# Altium PCB PC104-M7_6L.PcbDoc (part 2 of 3)
Units mm, origin at the board's own origin, x right, y up, seen from the top; angles counter-clockwise.
Board outline 90.17 x 95.89 mm, 6 copper layers (Top Layer, Layer 2 (GND), Layer 3 (PWR), Layer 4 (SIG), Layer 5 (GND), Bottom Layer), stack 1.538 mm thick; 122 components, 127 nets, 614 pads, 384 vias.
Unrouted connection lines stored in the file: 7.
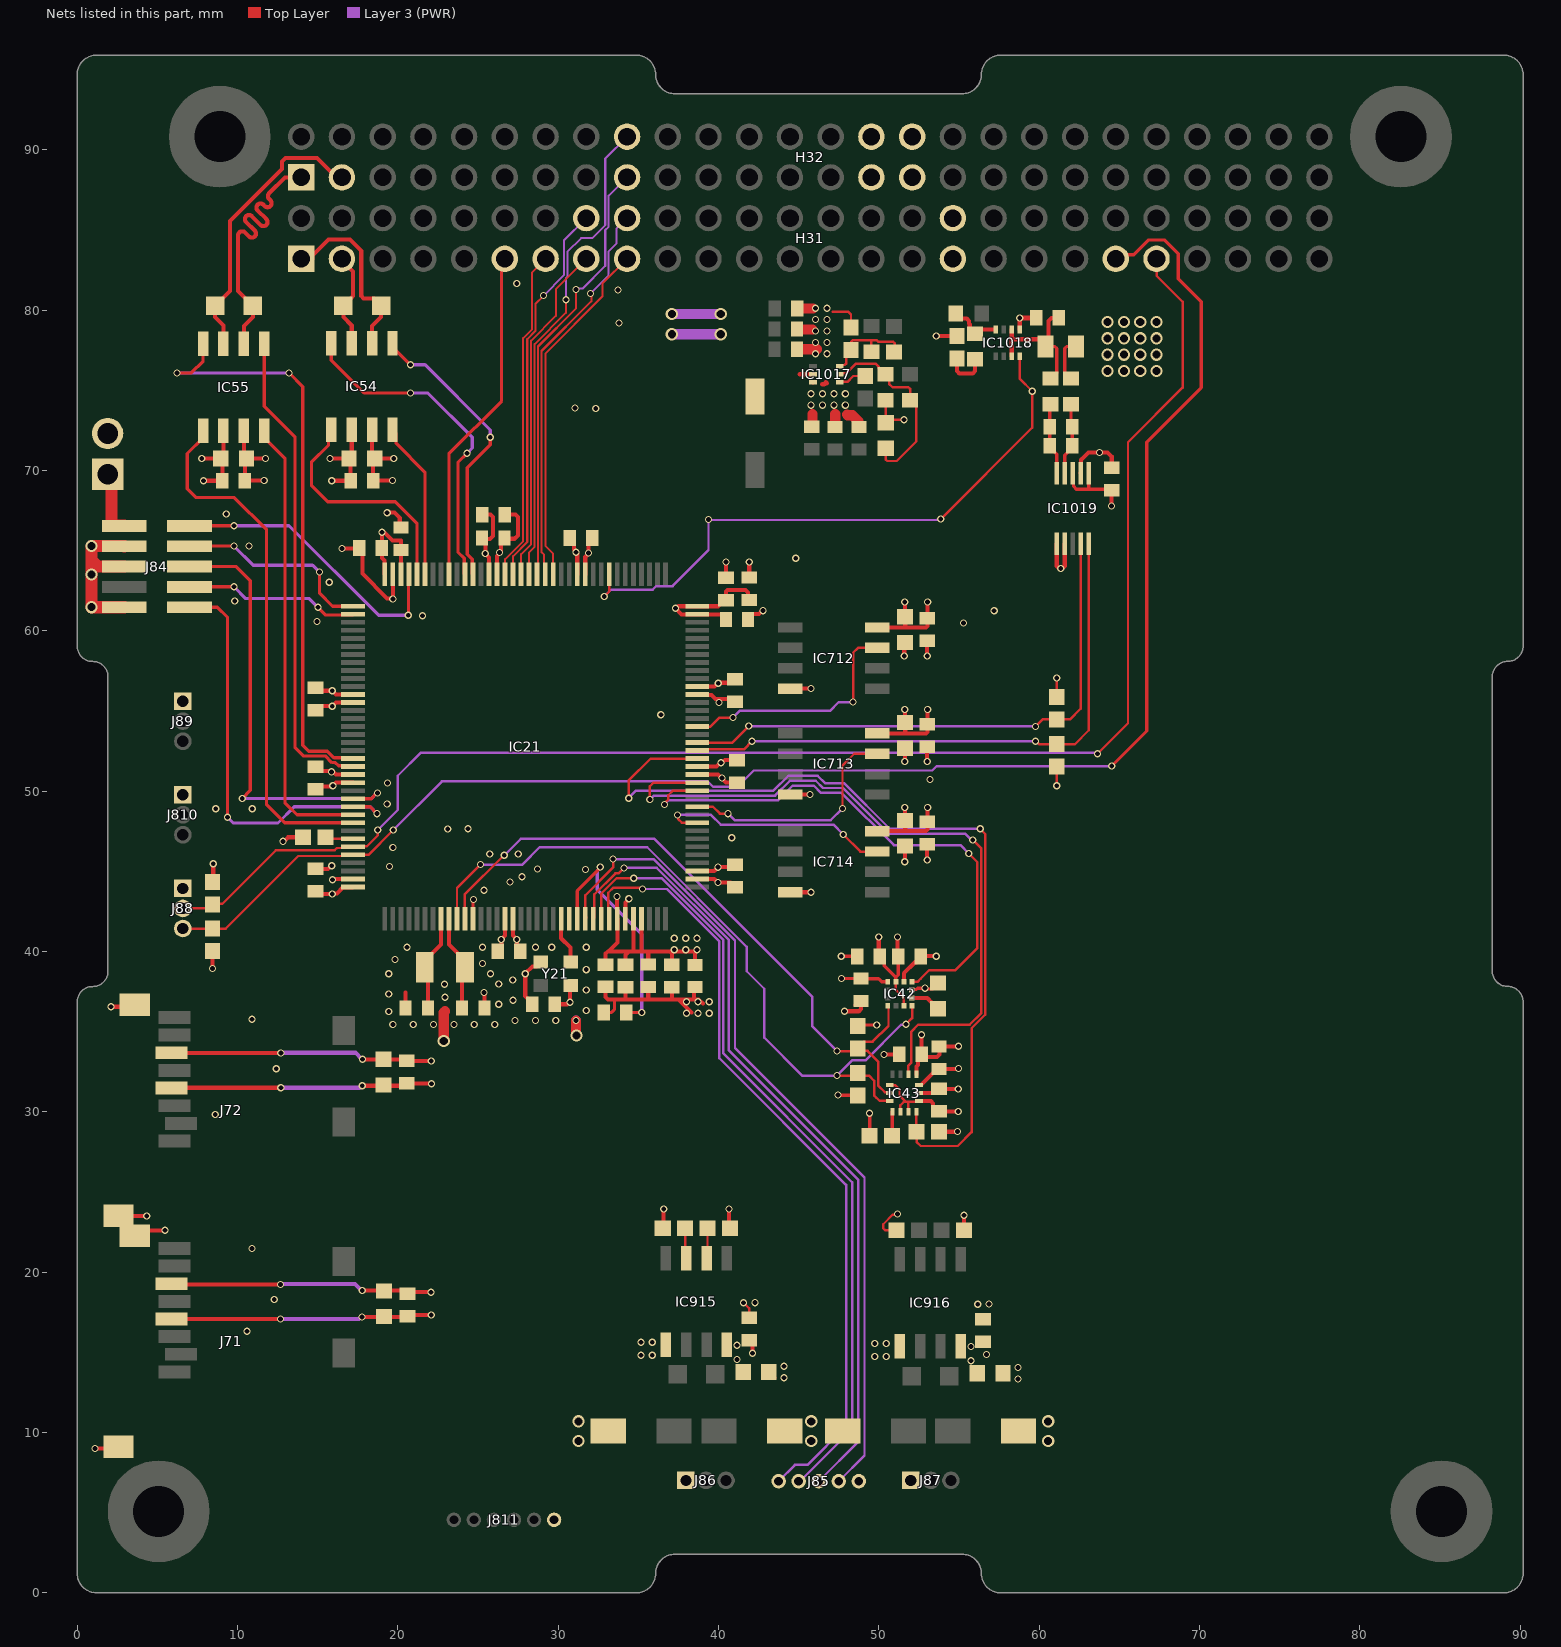
[diagram p5: the nets of this part, all layers, seen from the top]

## Via types
v1: diameter 0.45, hole 0.3, Top Layer to Bottom Layer, tented both sides, 349 vias
v2: diameter 0.762, hole 0.508, Top Layer to Bottom Layer, tented both sides, 35 vias

## Nets (pads, with @x,y where several pads share a name; then routed paths per layer and width w, separated by ;. In a path a pad name is that pad's centre, name@x,y a point inside that pad or via, vN(x,y) a via of type N, cw(c..) or ccw(c..) an arc to the next point about the centre after c; other vN are vias at no path point)
3V3: C21.1 C22.1 C23.1 C24.1 C25.1 C26.1 C27.1 C28.1 C29.1 C210.1 C211.1 C212.1 C213.1 C214.1 C215.1 C216.1 C217.1 C218.1 C219.1 C220.1 C222.1 C425.1 C426.1 C427.1 C429.1 C430.1 C431.1 C532.1 C533.1 C534.1 C535.1 C750.1 C751.1 C752.1 C753.1 C754.1 C755.1 C756.1 C757.1 C758.1 C759.1 C960.1 C961.1 C962.1 C963.1 C1075.2 IC21.17 IC21.30 IC21.32 IC21.33 IC21.39 IC21.52 IC21.62 IC21.71 IC21.72 IC21.84 IC21.95 IC21.106 IC21.108 IC21.121 IC21.131 IC21.143 IC21.144 IC42.3 IC42.9 IC42.10 IC43.2 IC43.3 IC43.5 IC43.8 IC43.12 IC54.3 IC55.3 IC712.8 IC713.8 IC714.8 IC915.8 IC916.8 IC1019.6 IC1019.8 J71.P4 J72.P4 J83.2 R22.1 R23.1 R24.1 R25.1 R26.1 R27.1 R914.2 R916.2 R1023.1 R1025.2 Y21.4 | length 165.6
  Top Layer w0.152: IC43.12@50.675,31.666 50.697,31.643 51.034,31.643 51.283,31.394 51.283,31.013 51.679,30.617 ; IC42.9@51.054,38.1 51.054,37.6 51.554,37.1 IC42.3@51.554,36.6 ; IC43.2@51.337,30.003 51.337,30.408 51.547,30.617 51.679,30.617 ; IC43.3@51.837,30.003 51.837,30.578 51.877,30.617 ; IC43.5@52.5,30.666 52.451,30.617 51.877,30.617 ; v1(61.087,50.336) R27.1@61.087,51.522 ; R26.1@61.087,55.869 v1(61.087,57.055) ; 51.679,30.617 51.877,30.617
  Top Layer w0.203: v1(47.447,31.036) 48.666,31.036 R24.1@48.678,31.025 ; v1(47.66,38.311) 48.879,38.311 C427.1@48.89,38.3 49.979,38.3 50.179,38.1 IC42.10@50.554,38.1 ; R25.1@48.678,35.346 48.74,35.408 v1(49.86,35.408) ; C426.1@50.036,39.687 50.325,39.398 50.325,39.111 51.054,38.381 ; IC42.9@51.054,38.1 51.054,38.381 ; C425.1@51.202,39.687 51.202,38.529 51.054,38.381 ; R1025.2@61.976,75.73 61.943,75.73 61.595,76.078 61.595,77.605 61.714,77.724 R1023.1@62.291,77.724 ; IC1019.8@62.087,69.825 62.135,69.776 62.135,69 62.312,68.823 63.119,68.823 ; IC1019.6@63.087,69.825 63.087,68.855 63.119,68.823 ; C1075.2@64.516,68.769 64.462,68.823 63.119,68.823
  Top Layer w0.254: J71.P4@5.875,17.074 v1(12.68,17.074) ; J72.P4@5.875,31.476 5.895,31.496 v1(12.7,31.496) ; v1(8.433,38.938) R22.1@8.433,40.016 ; R23.1@8.433,44.337 8.484,44.388 v1(8.484,45.466) ; C535.1@10.39,70.912 IC55.3@10.39,72.481 ; C534.1@10.455,69.35 C535.1@10.455,70.647 ; C534.1@10.472,69.367 v1(11.659,69.367) ; C535.1@10.555,70.747 v1(11.741,70.747) ; C27.1@14.859,43.75 15.023,43.586 v1(15.9,43.586) 15.938,43.624 16.209,43.624 16.585,44 17.173,44 IC21.144@17.196,44.023 ; C25.1@14.884,50.1 15.076,50.292 15.909,50.292 v1(15.943,50.326) 16.14,50.523 IC21.131@17.196,50.523 ; C210.1@14.884,55.1 15.076,55.292 v1(15.9,55.292) 15.909,55.292 16.14,55.523 IC21.121@17.196,55.523 ; v1(15.913,44.465) 15.966,44.465 16.024,44.523 IC21.143@17.196,44.523 ; v1(17.76,17.201) 20.387,17.201 20.533,17.347 20.552,17.328 v1(22.078,17.328) ; v1(17.78,31.623) 20.407,31.623 C758.1@20.553,31.769 20.572,31.75 v1(22.098,31.75) ; C533.1@18.391,70.95 IC54.3@18.391,72.519 ; C532.1@18.456,69.35 C533.1@18.456,70.647 ; C532.1@18.473,69.367 v1(19.66,69.367) ; C533.1@18.556,70.747 v1(19.742,70.747) ; v1@19.037,66.104 v1(18.999,66.142) ; IC21.108@19.184,63.511 19.161,63.534 19.161,64.38 18.999,64.541 18.999,65.14 C211.1@18.988,65.151 18.999,65.162 v1(18.999,66.142) ; IC21.106@20.184,63.511 20.184,65.015 C217.1@20.193,65.024 20.193,65.637 19.65,65.637 19.145,66.142 v1(18.999,66.142) ; C219.1@25.245,65.786 25.321,65.71 25.73,65.71 25.933,65.913 25.933,67.085 25.785,67.234 C220.1@25.259,67.234 ; C219.1@25.453,65.63 v1(25.453,64.806) 25.453,64.798 25.684,64.567 IC21.95@25.684,63.511 ; IC21.17@27.184,42.035 27.184,40.979 27.415,40.748 v1(27.415,40.74) 27.415,39.916 C29.1@27.607,39.724 ; C222.1@28.383,36.703 28.383,36.803 28.12,37.066 28.089,37.066 27.94,37.215 v1(27.94,38.608) 28.392,39.06 28.647,39.06 Y21.4@28.92,39.333 ; C212.1@30.761,65.822 30.994,65.589 30.994,65.071 31.115,64.95 31.115,64.844 31.184,64.775 IC21.84@31.184,63.511 ; C26.1@32.944,39.181 32.944,39.856 33.093,40.005 33.122,40.005 ; v1(33.67,43.425) 33.677,43.418 33.677,42.042 IC21.30@33.684,42.035 33.684,40.567 33.122,40.005 ; C216.1@34.189,39.166 34.189,39.777 34.417,40.005 ; IC21.32@34.684,42.035 34.684,40.018 34.671,40.005 ; IC21.33@35.184,42.035 35.184,40.005 ; C215.1@35.611,39.18 35.611,39.954 35.56,40.005 ; R914.2@36.517,22.733 36.576,22.792 v1(36.576,23.927) ; C214.1@37.084,39.155 37.084,39.878 36.957,40.005 ; 38.413,40.005 36.957,40.005 ; C213.1@38.532,39.166 38.532,40.056 v1@38.608,40.132 ; IC21.39@38.672,45.023 39.728,45.023 39.959,45.254 v1(39.967,45.254) 40.791,45.254 C22.1@40.983,45.446 ; IC21.52@38.672,51.523 39.862,51.523 40.104,51.765 v1(40.157,51.765) 40.21,51.765 40.391,51.946 C28.1@40.983,51.946 ; IC21.62@38.672,56.523 39.731,56.523 39.927,56.718 v1(39.98,56.718) ; v1@39.959,56.754 40.791,56.754 C23.1@40.983,56.946 ; C218.1@40.448,60.706 40.448,60.775 40.2,61.023 IC21.71@38.672,61.023 37.694,61.023 v1(37.312,61.405) 37.365,61.405 37.483,61.523 39.974,61.523 C24.1@40.362,61.911 ; C24.1@40.462,61.911 C24.1@40.362,61.911 ; C960.1@41.91,15.759 42.113,15.556 v1(42.113,14.935) ; C21.1@41.91,61.911 41.834,61.987 41.834,62.386 41.685,62.535 40.564,62.535 40.462,62.433 40.462,62.011 C24.1@40.362,61.911 ; IC714.8@49.879,47.498 51.638,47.498 ; IC713.8@49.879,53.594 51.638,53.594 ; IC712.8@49.879,60.198 51.638,60.198 ; v1(49.987,40.894) 49.987,39.736 C426.1@50.036,39.687 ; v1(51.153,40.894) 51.153,39.736 C425.1@51.202,39.687 ; v1(51.613,48.982) C755.1@51.613,48.171 51.638,48.146 51.638,47.498 ; v1(51.613,55.078) C753.1@51.613,54.267 51.638,54.242 51.638,53.594 ; v1(51.613,61.791) C751.1@51.613,60.871 51.638,60.846 51.638,60.198 ; IC43.8@52.337,32.328 52.337,32.83 52.422,32.915 52.422,33.332 C429.1@52.669,33.579 52.821,33.426 53.623,33.426 53.772,33.575 53.772,34.04 C430.1@53.746,34.066 ; IC43.5@52.5,30.666 53.235,30.666 53.383,30.517 53.383,30.283 53.646,30.02 C431.1@53.746,30.02 v1(54.94,30.02) ; v1(52.645,34.798) 52.657,34.786 C429.1@52.657,33.591 ; C754.1@53.01,48.071 C754.1@53.037,48.044 ; C752.1@53.01,54.167 C752.1@53.037,54.14 ; v1(53.037,48.982) C754.1@53.037,48.044 ; v1(53.037,55.078) C752.1@53.037,54.14 ; v1(53.037,61.791) 53.037,60.744 53.037,60.298 52.937,60.198 51.638,60.198 ; C430.1@53.758,34.078 54.954,34.078 v1(54.966,34.09) ; R916.2@55.3,22.606 v1(55.3,23.544) ; v1(64.507,67.782) C1075.2@64.507,68.72 ; 33.122,40.005 34.417,40.005 ; 34.417,40.005 34.671,40.005 ; 34.671,40.005 35.184,40.005 ; 35.184,40.005 35.56,40.005 ; 35.56,40.005 36.957,40.005 ; 51.638,47.498 52.937,47.498 53.037,47.598 C754.1@53.037,48.044 ; 51.638,53.594 52.937,53.594 53.037,53.694 C752.1@53.037,54.14
  Layer 3 (PWR) w0.254: v1(12.68,17.074) 17.58,17.074 17.707,17.201 v1(17.76,17.201) ; v1(12.7,31.496) 17.6,31.496 17.727,31.623 v1(17.78,31.623)
  other v1: 55.737,14.474 41.148,14.554 56.702,14.855 55.737,15.363 41.148,15.443 37.236,40.107 37.948,40.107 38.659,40.107 37.236,40.818 37.948,40.818 38.659,40.818 31.115,64.897
  other v2: 64.262,76.2 65.278,76.2 66.294,76.2 67.31,76.2 64.262,77.216 65.278,77.216 66.294,77.216 67.31,77.216 64.262,78.232 65.278,78.232 66.294,78.232 67.31,78.232 64.262,79.248 65.278,79.248 66.294,79.248 67.31,79.248
BOOT0: IC21.138 R21.1 | length 1.7
  Top Layer w0.152: R21.1@15.494,47.117 15.588,47.023 IC21.138@17.196,47.023
BRD_GPIO1: H31.13 IC21.93 | length 20.7
  Top Layer w0.127: IC21.93@26.684,63.511 26.684,64.457 27.813,65.587 27.813,78.237 28.366,78.79 28.366,82.346 H31.13@29.21,83.19
BRD_GPIO2: H31.16 IC21.92 | length 24.1
  Top Layer w0.127: IC21.92@27.184,63.511 27.184,64.649 28.067,65.532 28.067,78.132 28.067,78.184 28.583,78.7 28.583,80.399 v1(29.083,80.899)
  Layer 3 (PWR) w0.127: v1(29.083,80.899) 30.352,82.168 30.352,84.333 H31.16@31.75,85.73
BRD_GPIO3: H31.15 IC21.91 | length 21.4
  Top Layer w0.127: IC21.91@27.684,63.511 27.684,64.768 28.305,65.389 28.305,78.089 29.845,79.629 29.845,81.285 H31.15@31.75,83.19
BRD_GPIO4: H32.18 IC21.90 | length 30.2
  Top Layer w0.127: IC21.90@28.184,63.511 28.184,64.887 28.522,65.225 28.522,77.869 30.48,79.827 v1(30.48,80.645)
  Layer 3 (PWR) w0.127: v1(30.48,80.645) 30.48,81.989 30.569,82.079 30.569,83.625 31.423,84.479 32.115,84.479 32.93,85.295 32.93,89.451 H32.18@34.29,90.81
BRD_GPIO5: H32.17 IC21.89 | length 27.3
  Top Layer w0.127: IC21.89@28.684,63.511 28.739,63.566 28.739,77.726 31.115,80.102 v1(31.115,81.28)
  Layer 3 (PWR) w0.127: v1(31.115,81.28) 31.177,81.342 31.518,81.342 32.93,82.754 32.93,84.987 33.147,85.205 33.147,87.128 H32.17@34.29,88.27
BRD_GPIO6: H31.18 IC21.88 | length 24.6
  Top Layer w0.127: IC21.88@29.184,63.511 29.097,63.598 29.097,64.756 28.956,64.897 28.956,77.442 32.061,80.547 32.061,80.969 v1(32.004,81.026)
  Layer 3 (PWR) w0.127: v1(32.004,81.026) 33.147,82.169 33.147,83.663 33.618,84.134 33.618,85.058 H31.18@34.29,85.73
BRD_GPIO7: H31.17 IC21.87 | length 22
  Top Layer w0.127: IC21.87@29.684,63.511 29.684,64.804 29.212,65.276 29.212,77.301 32.758,80.848 32.758,81.658 H31.17@34.29,83.19
EXT_GPIO1: IC21.26 J85.4 | length 51.9
  Top Layer w0.152: IC21.26@31.684,42.035 31.758,42.109 31.684,42.183 31.684,43.495 33.421,45.232 v1(33.421,45.755)
  Layer 3 (PWR) w0.152: v1(33.421,45.755) 35.942,45.755 41.021,40.676 41.021,33.985 49.098,25.908 49.098,8.565 J85.4@47.493,6.96
EXT_GPIO2: IC21.27 J85.3 | length 50.6
  Top Layer w0.152: IC21.27@32.184,42.035 32.258,42.109 32.258,43.561 33.566,44.869 33.766,44.869 34.096,45.199 v1(34.104,45.199)
  Layer 3 (PWR) w0.152: v1(34.104,45.199) 34.113,45.208 36.146,45.208 40.64,40.714 40.64,33.827 48.717,25.75 48.717,9.434 J85.3@46.243,6.96
EXT_GPIO3: IC21.28 J85.2 | length 49.7
  Top Layer w0.152: IC21.28@32.684,42.035 32.684,43.606 33.644,44.566 v1(34.708,44.566)
  Layer 3 (PWR) w0.152: v1(34.708,44.566) 34.712,44.57 36.441,44.57 40.295,40.716 40.295,33.634 48.336,25.592 48.336,10.211 45.085,6.96 J85.2@44.993,6.96
EXT_GPIO4: IC21.29 J85.1 | length 49.3
  Top Layer w0.152: IC21.29@33.184,42.035 33.114,42.104 33.114,43.655 33.44,43.981 35.084,43.981 35.179,43.886 v1(35.259,43.886)
  Layer 3 (PWR) w0.152: v1(35.259,43.886) 35.264,43.891 36.777,43.891 40.052,40.616 40.052,33.338 47.955,25.435 47.955,10.389 45.542,7.976 44.759,7.976 J85.1@43.743,6.96
FDCAN1_FAULT: IC21.97 IC54.5 | length 18.2
  Top Layer w0.203: IC54.5@19.661,77.941 19.661,77.697 v1(20.777,76.581) ; IC21.97@24.684,63.511 24.635,63.559 24.635,64.46 24.325,64.77 24.325,70.164 25.756,71.594 v1(25.756,72.06)
  Layer 3 (PWR) w0.203: v1(20.777,76.581) 21.692,76.581 25.756,72.517 v1(25.756,72.06)
FDCAN1_N: H31.1 IC54.6 R510.2 | length 11.5
  Top Layer w0.254: H31.1@13.97,83.19 14.668,83.19 14.668,83.4 15.664,84.396 17.01,84.396 17.716,83.69 17.716,80.861 17.865,80.712 18.507,80.712 R510.2@18.955,80.264 18.955,79.562 18.391,78.998 IC54.6@18.391,77.941
FDCAN1_P: H31.3 IC54.7 R510.1 | length 6
  Top Layer w0.254: H31.3@16.51,83.19 16.51,83.091 17.208,82.393 17.208,80.861 17.059,80.712 17.053,80.712 R510.1@16.605,80.264 16.605,79.562 17.121,79.046 IC54.7@17.121,77.941
FDCAN1_RX: IC21.103 IC54.4 | length 9.8
  Top Layer w0.203: IC54.4@19.661,72.519 19.884,72.296 19.884,71.683 21.684,69.883 IC21.103@21.684,63.511
FDCAN1_S: IC21.98 IC54.8 | length 21
  Top Layer w0.203: IC54.8@15.851,77.941 15.851,76.859 17.882,74.828 v1(20.777,74.828) ; IC21.98@24.184,63.511 24.135,63.559 24.135,64.511 23.749,64.897 23.749,70.504 v1(24.314,71.068)
  Layer 3 (PWR) w0.203: v1(20.777,74.828) 20.784,74.822 21.876,74.822 24.638,72.06 24.638,71.393 v1(24.314,71.068)
FDCAN1_TX: IC21.104 IC54.1 | length 14.7
  Top Layer w0.203: IC54.1@15.851,72.519 15.676,72.344 15.676,71.581 14.605,70.51 14.605,69.063 15.621,68.047 19.842,68.047 21.184,66.705 IC21.104@21.184,63.511
FDCAN2_FAULT: IC21.129 IC55.5 | length 30.1
  Top Layer w0.203: IC55.5@11.66,77.903 11.66,73.997 13.589,72.068 13.589,52.705 14.102,52.192 14.323,52.192 15.474,52.192 15.887,51.778 16.104,51.778 16.311,51.571 17.147,51.571 IC21.129@17.196,51.523
FDCAN2_N: H32.1 IC55.6 R511.2 | length 17.6
  Top Layer w0.254: IC55.6@10.39,77.903 10.39,78.998 10.954,79.562 R511.2@10.954,80.264 10.033,81.185 10.033,84.191 10.033,84.655 cw(c10.287,84.655) 10.467,84.835 10.714,84.588 ccw(c10.893,84.767) 11.073,84.588 ccw(c10.893,84.767) 11.073,84.947 10.534,85.486 cw(c10.714,85.665) 10.534,85.845 cw(c10.714,85.665) 10.893,85.845 11.432,85.306 ccw(c11.612,85.486) 11.791,85.306 ccw(c11.612,85.486) 11.791,85.665 11.252,86.204 cw(c11.432,86.384) 11.252,86.563 cw(c11.432,86.384) 11.612,86.563 11.692,86.484 ccw(c11.871,86.663) 12.051,86.484 ccw(c11.871,86.663) 12.051,86.843 11.971,86.923 cw(c12.151,87.102) 11.971,87.282 12.959,88.27 H32.1@13.97,88.27
FDCAN2_P: H32.3 IC55.7 R511.1 | length 17.6
  Top Layer w0.254: IC55.7@9.12,77.903 9.12,79.046 8.604,79.562 R511.1@8.604,80.264 9.525,81.185 9.525,85.554 12.764,88.793 12.764,89.253 12.987,89.476 14.953,89.476 16.159,88.27 H32.3@16.51,88.27
FDCAN2_RX: IC21.135 IC55.4 | length 28.3
  Top Layer w0.203: IC55.4@11.66,72.481 11.66,72.042 12.954,70.748 12.954,49.276 13.707,48.523 IC21.135@17.196,48.523
FDCAN2_S: IC21.128 IC55.8 | length 37.1
  Top Layer w0.203: v1(6.223,76.073) 7.112,76.073 7.85,76.811 IC55.8@7.85,77.903 ; v1(13.208,76.073) 14.067,75.214 14.067,52.862 14.444,52.485 15.595,52.485 16.009,52.071 17.147,52.071 IC21.128@17.196,52.023
  Layer 3 (PWR) w0.203: v1(6.223,76.073) v1(13.208,76.073)
FDCAN2_TX: IC21.136 IC55.1 | length 33
  Top Layer w0.203: IC55.1@7.85,72.481 7.85,72.042 6.858,71.05 6.858,68.859 7.417,68.301 9.804,68.301 11.811,66.294 11.811,49.149 12.937,48.023 IC21.136@17.196,48.023
FRAM1_HOLD: IC21.57 IC712.7 | length 15
  Top Layer w0.152: IC21.57@38.672,54.023 39.494,54.023 40.056,54.585 v1(40.894,54.585) ; v1(48.387,55.55) 48.387,58.623 48.692,58.928 IC712.7@49.879,58.928
  Layer 3 (PWR) w0.152: v1(40.894,54.585) 41.304,54.995 46.938,54.995 47.493,55.55 v1(48.387,55.55)
FRAM2_HOLD: IC21.47 IC713.7 | length 14.8
  Top Layer w0.152: IC21.47@38.672,49.023 39.643,49.023 40.075,48.59 v1(40.589,48.59) ; v1(47.727,48.92) 47.727,51.587 48.463,52.324 IC713.7@49.879,52.324
  Layer 3 (PWR) w0.152: v1(40.589,48.59) 40.992,48.187 46.994,48.187 v1(47.727,48.92)
FRAM3_HOLD: IC21.45 IC714.7 | length 15
  Top Layer w0.152: v1(37.44,48.514) 37.497,48.457 37.497,48.237 37.711,48.023 IC21.45@38.672,48.023 ; v1(47.777,47.295) 48.844,46.228 IC714.7@49.879,46.228
  Layer 3 (PWR) w0.152: v1(37.44,48.514) 39.522,48.514 40.132,47.904 47.168,47.904 v1(47.777,47.295)
GND: C21.2 C22.2 C23.2 C24.2 C25.2 C26.2 C27.2 C28.2 C29.2 C210.2 C211.2 C212.2 C213.2 C214.2 C215.2 C216.2 C217.2 C218.2 C219.2 C220.2 C221.2 C222.2 C223.2 C224.2 C425.2 C426.2 C427.2 C428.2 C429.2 C430.2 C431.2 C532.2 C533.2 C534.2 C535.2 C750.2 C751.2 C752.2 C753.2 C754.2 C755.2 C756.2 C757.2 C758.2 C759.2 C960.2 C961.2 C962.2 C963.2 C1065.2 C1066.2 C1067.2 C1068.2 C1069.2 C1070.2 C1071.2 C1072.2 C1075.1 D91.1 D92.1 D93.1 D94.1 H31.33 H31.34 H32.29 H32.30 H32.31 H32.32 IC21.16 IC21.31 IC21.38 IC21.51 IC21.61 IC21.83 IC21.94 IC21.107 IC21.120 IC21.130 IC42.6 IC42.8 IC43.6 IC43.7 IC54.2 IC55.2 IC712.4 IC713.4 IC714.4 IC915.5 IC916.5 IC1017.3 IC1018.1 IC1019.1 IC1019.2 IC1019.7 J71.G1 J71.G2 J71.P6 J72.G1 J72.G2 J72.P6 J84.2 J84.6 J84.8 J85.5 J86.1 J87.1 J88.1 J89.1 J810.1 J811.6 R21.2 R48.2 R49.2 R913.2 R917.2 R1021.2 R1022.2 R1028.1 Y21.2 | length 174
  Top Layer w0.152: v1(41.561,18.088) 41.91,17.739 C960.2@41.91,17.159 ; 47.117,79.883 48.095,79.883 48.258,79.719 R1021.2@48.258,78.903 ; R1022.2@50.419,74.384 50.419,73.19 50.457,73.152 v1(51.562,73.152) ; R917.2@51.106,22.606 50.394,22.606 50.343,22.656 50.267,22.733 50.267,22.987 50.86,23.581 51.114,23.581 v1(51.156,23.622)
  Top Layer w0.203: C221.2@32.828,36.195 33.325,36.195 33.503,36.373 33.503,36.936 ; v1(47.65,39.7) 48.623,39.7 C426.2@48.631,39.692 ; v1(49.413,29.909) 49.425,29.897 R48.2@49.425,28.753 ; IC42.6@52.054,37.6 52.077,37.623 52.329,37.623 52.414,37.708 v1(52.864,37.708) ; v1@52.915,37.65 53.318,37.65 C428.2@53.692,38.023
  Top Layer w0.254: v1(1.106,8.998) 2.267,8.998 J71.G1@2.286,9.017 ; v1(2.106,36.55) 3.267,36.55 J72.G2@3.286,36.569 ; J72.G1@3.175,23.495 v1(4.336,23.495) ; J71.G2@4.318,22.606 v1(5.479,22.606) ; J72.P6@5.875,33.676 5.896,33.655 v1(12.7,33.655) ; J71.P6@5.902,19.259 5.927,19.233 v1(12.68,19.233) ; v1(7.769,70.747) C535.2@8.955,70.747 ; v1(7.869,69.35) C534.2@9.055,69.35 C535.2@9.055,70.647 ; C535.2@9.12,70.912 IC55.2@9.12,72.481 ; v1(12.827,46.863) 12.88,46.863 13.134,47.117 R21.2@14.094,47.117 ; C27.2@14.605,45.15 C27.2@14.859,45.15 15.636,45.15 15.825,45.339 v1(15.875,45.339) ; C25.2@14.884,51.5 15.147,51.237 15.771,51.237 15.81,51.198 v1(15.863,51.198) ; C210.2@14.884,56.5 15.127,56.257 v1(15.9,56.257) 15.906,56.257 16.14,56.023 IC21.120@17.196,56.023 ; v1(15.77,70.747) C533.2@16.956,70.747 ; v1(15.87,69.35) C532.2@17.056,69.35 C533.2@17.056,70.647 ; v1@15.9,51.257 15.906,51.257 16.14,51.023 IC21.130@17.196,51.023 ; v1(16.51,65.126) 17.563,65.126 C211.2@17.588,65.151 17.78,64.959 17.78,63.565 19.331,62.014 19.647,62.014 v1(19.685,61.976) IC21.107@19.684,63.511 ; C533.2@17.121,70.95 IC54.2@17.121,72.519 ; v1(17.772,18.847) C757.2@19.085,18.847 ; v1(17.792,33.269) C759.2@19.105,33.269 ; C757.2@19.185,18.747 C757.2@19.085,18.847 ; C759.2@19.205,33.169 C759.2@19.105,33.269 ; v1(19.329,67.361) 19.787,67.361 20.116,67.031 20.116,66.501 C217.2@20.193,66.424 ; C756.2@20.399,18.847 C757.2@19.085,18.847 ; C758.2@20.419,33.269 C759.2@19.105,33.269 ; 20.472,37.44 20.484,37.428 C223.2@20.484,36.474 ; C756.2@20.533,18.747 v1(22.059,18.747) ; C758.2@20.553,33.169 v1(22.079,33.169) ; v1(25.378,37.44) 25.389,37.428 C224.2@25.389,36.474 ; IC21.94@26.184,63.511 26.184,64.672 26.331,64.819 26.331,64.925 26.418,65.012 C219.2@26.418,65.58 ; C29.2@26.207,39.724 26.45,39.966 v1(26.45,40.74) 26.45,40.745 26.684,40.979 IC21.16@26.684,42.035 ; C219.2@26.645,65.786 26.695,65.735 27.28,65.735 27.483,65.938 27.483,67.085 27.334,67.234 C220.2@26.659,67.234 ; C222.2@29.783,36.703 30.554,36.703 30.681,36.83 v1(30.734,36.83) 30.734,37.847 Y21.2@30.77,37.883 ; IC21.83@31.684,63.511 31.684,64.592 31.881,64.79 v1(31.881,64.843) ; v1@31.918,64.807 v1(31.881,64.843) 31.881,65.543 C212.2@32.161,65.822 ; C26.2@32.944,37.781 32.944,37.161 33.093,37.012 33.426,37.012 ; 33.503,36.936 33.426,37.012 ; IC21.31@34.184,42.035 34.184,43.042 34.403,43.261 v1(34.403,43.281) ; C216.2@34.189,37.766 34.189,37.038 34.163,37.012 ; C215.2@35.611,37.78 35.611,37.063 35.56,37.012 ; C214.2@37.084,37.755 37.084,37.039 37.058,37.012 ; 38.304,36.195 37.515,36.984 37.515,37.012 ; 38.455,37.084 38.455,37.689 C213.2@38.532,37.766 ; IC21.38@38.672,44.523 39.728,44.523 39.962,44.289 v1(39.967,44.289) 40.74,44.289 C22.2@40.983,44.046 ; IC21.51@38.672,51.023 39.953,51.023 40.155,50.821 v1(40.208,50.821) ; IC21.61@38.672,56.023 38.695,56 39.548,56 39.795,55.753 40.012,55.753 ; 39.025,36.741 38.756,37.01 38.457,37.01 38.455,37.012 37.515,37.012 ; v1(40.017,55.518) 40.012,55.524 40.012,55.753 ; v1@40.252,50.749 40.455,50.546 C28.2@40.983,50.546 ; C24.2@40.462,63.311 v1(40.462,64.287) ; v1(40.64,23.927) 40.64,22.799 R913.2@40.706,22.733 ; C23.2@40.983,55.546 40.776,55.753 40.012,55.753 ; C218.2@41.848,60.737 41.848,60.801 42.096,61.049 42.51,61.049 42.712,61.251 v1(42.765,61.251) ; C21.2@41.91,63.311 v1(41.91,64.287) ; C961.2@42.881,13.759 C961.2@42.881,13.767 ; C961.2@43.131,13.759 C961.2@43.479,13.411 ; IC714.4@44.457,43.688 v1(45.771,43.688) ; IC713.4@44.457,49.784 v1(45.704,49.784) ; IC712.4@44.457,56.388 v1(45.771,56.388) ; v1(47.854,36.271) 47.858,36.267 48.741,36.267 48.872,36.398 C427.2@48.872,36.882 ; C427.2@48.547,36.652 48.795,36.9 C427.2@48.89,36.9 C427.2@48.872,36.882 ; C427.2@48.741,36.751 C427.2@48.872,36.882 ; v1(50.317,33.579) C429.2@51.269,33.579 ; IC42.8@51.554,38.1 51.554,38.639 52.239,39.324 52.339,39.324 52.615,39.6 C425.2@52.615,39.7 ; v1(51.576,58.42) 51.576,59.234 C751.2@51.613,59.271 ; v1(51.613,45.595) C755.2@51.613,46.571 ; v1(51.613,51.838) C753.2@51.613,52.667 ; IC43.6@52.5,31.166 53.492,31.166 C431.2@53.746,31.42 v1(54.94,31.42) ; IC43.7@52.5,31.666 52.608,31.666 53.36,32.418 53.498,32.418 C430.2@53.746,32.666 53.758,32.678 54.954,32.678 v1(54.966,32.69) ; C425.2@52.602,39.687 C425.2@52.615,39.7 ; v1(53.01,45.695) C754.2@53.01,46.671 ; v1(53.01,51.838) C752.2@53.01,52.767 ; v1(53.01,58.42) C750.2@53.01,59.371 ; v1(53.569,39.7) C425.2@52.615,39.7 ; v1(53.569,78.384) 53.579,78.374 R1028.1@54.86,78.374 ; R49.2@53.749,28.753 54.894,28.753 v1(54.906,28.765) ; IC1019.1@61.087,65.425 61.087,64.03 61.236,63.881 v1(61.341,63.881) 61.446,63.881 61.595,64.03 ; IC1019.2@61.587,65.425 61.587,64.038 61.595,64.03 ; 61.595,64.135 61.595,64.03 ; IC1019.7@62.587,69.825 62.61,69.848 62.61,70.66 63.07,71.12 v1(63.754,71.12) 64.262,71.12 64.516,70.866 C1075.1@64.516,70.169 ; 33.426,37.012 34.163,37.012 ; 34.163,37.012 35.56,37.012 ; 35.56,37.012 37.058,37.012 ; 37.058,37.012 37.515,37.012
  Top Layer w0.279: IC1017.3@45.863,75.485 45.873,75.496 IC1017.3@45.888,75.496 ; 46.474,75.362 46.584,75.362 ; 46.678,75.496 46.736,75.438
  Top Layer w0.3: IC1018.1@58.782,78.787 v1(58.782,79.509) 59.581,79.509 C1072.2@59.6,79.527
  Top Layer w0.635: v2(22.86,34.417) 22.86,36.195 22.936,36.271 ; v2@31.116,34.771 v1(31.115,35.687) ; C1069.2@44.89,77.553 46.145,77.553 ; C1068.2@44.89,78.823 44.923,78.79 45.837,78.79 ; C1070.2@44.89,80.093 v1@45.891,80.093 ; C1067.2@45.817,72.709 45.847,72.739 45.847,73.508 ; C1066.2@47.253,72.709 47.269,72.725 47.269,73.508 ; 48.006,73.482 48.057,73.431 48.345,73.431 48.717,73.059 48.717,72.743 C1065.2@48.752,72.709
  Top Layer w0.762: J84.2@2.93,61.46 2.922,61.468 v2(0.889,61.468) v2(0.889,63.5) 0.889,64.389 ; J84.6@2.93,64 2.919,64.011 1.267,64.011 0.889,64.389 ; J84.8@2.93,65.27 2.922,65.278 v2(0.889,65.278) 0.889,64.389
  Layer 3 (PWR) w0.254: v1(12.68,19.233) 12.706,19.259 17.326,19.259 17.738,18.847 v1(17.772,18.847) ; v1(12.7,33.655) 12.725,33.68 17.346,33.68 17.758,33.269 v1(17.792,33.269)
  Layer 3 (PWR) w0.635: v1(31.115,35.687) v1(31.115,35.687) ; v2@31.116,34.771 v2(31.14,34.747) ; v2(37.084,78.486) v2(40.132,78.486) ; v2(37.084,79.756) v2(40.132,79.756)
  other v1: 58.676,13.335 44.078,13.411 58.67,14.046 44.071,14.122 49.743,14.728 50.454,14.728 35.154,14.808 35.865,14.808 49.743,15.541 50.454,15.541 35.154,15.621 35.865,15.621 10.592,16.307 56.159,17.998 56.871,18.004 42.272,18.094 12.294,18.288 10.897,21.463 8.614,29.82 12.409,32.679 19.685,35.433 20.955,35.433 22.225,35.433 23.495,35.433 24.765,35.433 26.035,35.433 27.305,35.687 28.575,35.687 29.845,35.687 10.9,35.763 37.998,36.144 38.71,36.144 39.421,36.144 19.431,36.246 31.75,36.322 26.289,36.703 37.998,36.855 38.71,36.855 39.421,36.855 27.178,36.957 22.936,37.135 19.431,37.338 31.75,37.592 22.911,37.948 26.289,37.973 27.157,38.217 19.431,38.608 25.781,38.608 31.75,38.862 25.273,39.243 19.812,39.497 20.574,40.259 25.273,40.259 28.575,40.259 29.591,40.259 31.75,40.259 25.375,43.815 26.985,44.329 27.737,44.653 31.699,45.11 28.702,45.136 19.482,45.288 25.73,46.076 27.507,46.077 19.685,46.482 40.818,47.092 23.114,47.625 24.376,47.644 8.636,48.895 10.922,48.895 19.329,49.2 19.355,50.495 53.188,50.724 36.398,54.761 55.27,60.474 14.961,60.579 21.539,60.935 57.185,61.249 9.83,61.849 15.723,63.017 44.806,64.516 26.331,64.872 10.719,65.278 9.296,67.285 32.334,73.863 31.039,73.889 45.771,74.066 46.482,74.066 47.193,74.066 47.904,74.066 45.771,74.778 46.482,74.778 47.193,74.778 47.904,74.778 46.05,77.267 46.761,77.267 46.05,77.978 46.761,77.978 46.05,78.689 46.761,78.689 33.782,79.197 46.05,79.4 46.761,79.4 46.05,80.112 46.761,80.112 33.731,81.255 27.407,81.661
  other v2: 31.262,9.474 45.775,9.474 60.554,9.474 31.262,10.693 45.775,10.693 60.554,10.693
I2C1_SCL: H31.43 IC21.139 J88.2 R23.2 | length 96.3
  Top Layer w0.152: J88.2@6.585,42.678 8.173,42.678 R23.2@8.433,42.937 8.457,42.961 9.047,42.961 12.394,46.308 16.05,46.308 16.192,46.449 17.122,46.449 IC21.139@17.196,46.523 17.232,46.559 18.066,46.559 18.745,47.238 v1(18.745,47.574) ; v1(63.627,52.324) 65.532,54.229 65.532,71.755 68.937,75.16 68.937,80.518 67.318,82.136 67.318,83.182 H31.43@67.31,83.19
  Layer 3 (PWR) w0.152: v1(18.745,47.574) 19.99,48.819 19.99,50.952 21.43,52.393 63.389,52.393 63.401,52.381 63.57,52.381 v1(63.627,52.324)
I2C1_SDA: H31.41 IC21.140 J88.3 R22.2 | length 102
  Top Layer w0.152: J88.3@6.585,41.428 6.596,41.416 R22.2@8.433,41.416 9.255,41.416 13.788,45.949 16.445,45.949 17.122,45.949 IC21.140@17.196,46.023 18.171,46.023 19.71,47.562 v1(19.71,47.574)
  Top Layer w0.203: v1(64.516,51.562) 66.699,53.745 66.699,71.755 70.104,75.16 70.104,80.518 68.669,81.953 68.669,83.5 67.799,84.371 66.821,84.371 65.9,83.449 65.029,83.449 H31.41@64.77,83.19
  Layer 3 (PWR) w0.152: v1(19.71,47.574) 22.743,50.607 39.309,50.607 39.651,50.265 41.172,50.265 42.189,51.283 53.323,51.283 53.601,51.561 ; 53.609,51.553 v1@64.507,51.553
I2C2_SCL: IC21.11 IC42.1 IC43.13 R25.2 | length 42
  Top Layer w0.152: IC21.11@24.184,42.035 24.157,42.062 24.157,43.537 26.619,45.999 v1(26.636,45.999) ; v1(47.382,33.782) 48.514,33.782 R25.2@48.678,33.946 R25.2@48.832,33.791 ; IC42.1@50.554,36.6 50.597,36.557 50.597,35.359 49.607,34.369 49.076,34.369 48.832,34.125 R25.2@48.832,33.791 ; IC43.13@50.675,31.166 50.626,31.215 50.373,31.215 49.95,31.637 49.95,33.133 49.292,33.791 R25.2@48.832,33.791
  Layer 3 (PWR) w0.152: v1(26.636,45.999) 26.645,45.999 27.661,47.015 35.992,47.015 45.847,37.16 45.847,35.317 v1(47.382,33.782)
I2C2_SDA: IC21.10 IC42.4 IC43.14 R24.2 | length 46.8
  Top Layer w0.152: IC21.10@23.684,42.035 23.684,43.953 v1(25.146,45.415) ; v1(47.382,32.258) 48.511,32.258 R24.2@48.678,32.425 48.844,32.258 49.378,32.258 49.708,31.928 49.708,31.005 49.827,30.886 49.835,30.886 50.038,30.683 50.658,30.683 IC43.14@50.675,30.666 ; v1(51.689,35.458) 52.07,35.839 52.07,36.584 IC42.4@52.054,36.6
  Layer 3 (PWR) w0.152: v1(25.146,45.415) 27.762,45.415 28.841,46.494 35.548,46.494 41.758,40.284 41.758,38.76 42.85,37.668 42.85,34.62 45.212,32.258 v1(47.382,32.258) 48.322,33.198 49.151,33.198 51.382,35.429 51.659,35.429 v1(51.689,35.458)
I2C4_SCL: IC21.54 IC1019.5 R27.2 | length 36.7
  Top Layer w0.152: IC21.54@38.672,52.523 38.746,52.597 39.524,52.597 39.525,52.598 41.574,52.598 v1(42.088,53.111) ; v1(59.766,53.111) 59.801,53.111 60.004,52.908 61.073,52.908 R27.2@61.087,52.922 62.219,52.922 63.087,53.791 IC1019.5@63.087,65.425
  Layer 3 (PWR) w0.152: v1(42.088,53.111) 42.1,53.099 v1@59.728,53.099
I2C4_SDA: IC21.55 IC1019.4 R26.2 | length 35.1
  Top Layer w0.152: IC21.55@38.672,53.023 40.856,53.023 v1(41.885,54.051) ; v1(59.766,54.026) 60.209,54.469 R26.2@61.087,54.469 61.911,54.469 62.587,55.145 IC1019.4@62.587,65.425
  Layer 3 (PWR) w0.152: v1(41.885,54.051) 41.897,54.038 59.753,54.038 v1(59.766,54.026)
IMU_INT1: IC21.53 IC43.4 R49.1 | length 55
  Top Layer w0.152: v1(34.392,49.555) 34.392,50.648 35.767,52.023 IC21.53@38.672,52.023 ; R49.1@52.337,28.765 IC43.4@52.337,30.003 ; R49.1@52.349,28.753 52.349,28.118 52.603,27.864 54.917,27.864 55.778,28.725 55.778,35.205 56.628,36.055 56.628,47.322 56.315,47.635 v1(56.315,47.65)
  Layer 3 (PWR) w0.152: v1(34.392,49.555) 34.859,50.023 43.419,50.023 44.345,50.949 46.187,50.949 46.64,50.495 47.828,50.495 50.673,47.65 v1(56.315,47.65)
IMU_INT2: IC21.50 IC43.9 | length 44.6
  Top Layer w0.152: v1(35.712,49.468) 35.712,50.297 35.939,50.523 IC21.50@38.672,50.523 ; IC43.9@51.837,32.328 51.837,32.877 52.003,33.042 52.003,34.985 52.451,35.433 55.664,35.433 56.386,36.155 56.386,46.408 v1(55.855,46.939)
  Layer 3 (PWR) w0.152: v1(35.712,49.468) 35.728,49.468 35.979,49.718 43.521,49.718 44.446,50.644 46.06,50.644 46.514,50.19 47.752,50.19 50.597,47.346 55.372,47.346 55.778,46.939 v1(55.855,46.939)
JRST: IC21.134 J84.1 | length 26.9
  Top Layer w0.203: J84.1@7,61.46 8.746,61.46 9.373,60.833 v1(9.373,48.362) ; IC21.134@17.196,49.023 18.262,49.023 v1(18.694,48.59)
  Layer 3 (PWR) w0.203: v1(9.373,48.362) 9.728,48.006 12.522,48.006 13.538,49.022 18.263,49.022 v1(18.694,48.59)
JTCK-SWCLK: IC21.109 J84.7 | length 12.5
  Top Layer w0.203: J84.7@7,65.27 7.008,65.278 v1(9.779,65.278) ; v1(15.113,63.652) 15.113,62.331 15.921,61.523 IC21.109@17.196,61.523
  Layer 3 (PWR) w0.203: v1(9.779,65.278) 10.973,64.084 14.681,64.084 v1(15.113,63.652)
JTDI: IC21.110 J84.3 | length 11
  Top Layer w0.203: J84.3@7,62.73 7.008,62.738 v1(9.779,62.738) ; v1(15.011,61.468) 15.011,61.45 15.487,60.975 17.147,60.975 IC21.110@17.196,61.023
  Layer 3 (PWR) w0.203: v1(9.779,62.738) 10.516,62.001 14.478,62.001 v1(15.011,61.468)
JTDO-SWO: IC21.133 J84.5 | length 28.2
  Top Layer w0.203: J84.5@7,64 9.914,64 10.795,63.119 10.795,50.038 v1(10.287,49.53) ; IC21.133@17.196,49.523 17.199,49.526 18.33,49.526 18.689,49.886 v1(18.72,49.886)
  Layer 3 (PWR) w0.203: v1(10.287,49.53) 18.326,49.53 18.682,49.886 v1(18.72,49.886)
JTMS-SWDIO: IC21.105 J84.9 | length 18.6
  Top Layer w0.203: J84.9@7,66.54 7.008,66.548 v1(9.779,66.548) ; v1(20.65,60.96) 20.667,60.977 20.667,63.494 IC21.105@20.684,63.511
  Layer 3 (PWR) w0.203: v1(9.779,66.548) 13.208,66.548 18.796,60.96 v1(20.65,60.96) v1@20.701,60.96
MAG_INT: IC21.49 IC42.7 | length 34.9
  Top Layer w0.152: v1(36.627,49.163) 36.627,49.244 36.862,49.479 36.862,49.74 37.145,50.023 IC21.49@38.672,50.023 ; IC42.7@52.054,38.1 52.403,38.1 52.594,38.291 53.14,38.837 54.775,38.837 56.143,40.205 56.143,45.561 v1(55.603,46.101)
  Layer 3 (PWR) w0.152: v1(36.627,49.163) 36.627,49.19 36.865,49.428 43.713,49.428 44.624,50.339 45.934,50.339 46.388,49.886 47.676,49.886 50.932,46.629 55.075,46.629 v1(55.603,46.101)
MCP_PWR: IC21.12 | length 1.2
  Top Layer w0.203: IC21.12@24.684,42.035 24.684,43.215 v1(24.712,43.243)
NetC428_1: C428.1 IC42.5 | length 1.8
  Top Layer w0.254: IC42.5@52.228,37.102 53.013,37.102 53.319,36.796 53.319,36.771 53.667,36.423 C428.1@53.692,36.423
NetC644_1: 
NetC1064_2: C1064.2 IC1017.6 R1019.2 R1021.1 | length 5.7
  Top Layer w0.152: IC1017.6@47.564,76.496 47.638,76.569 47.862,76.569 47.951,76.659 R1021.1@47.951,77.196 ; R1021.1@48.258,77.503 48.285,77.53 48.285,78.037 48.375,78.126 49.441,78.126 ; R1019.2@49.526,77.403 49.53,77.407 49.53,78.037 49.441,78.126 ; C1064.2@50.926,77.373 50.978,77.425 50.978,77.927 50.879,78.026 49.939,78.026 49.839,78.126 49.441,78.126
NetC1071_1: C1071.1 IC1017.5 R1020.2 R1022.1 | length 12.8
  Top Layer w0.152: IC1017.5@47.564,75.996 47.638,76.069 47.969,76.069 48.56,76.66 49.788,76.66 49.995,76.453 49.995,76.358 50.369,75.984 R1022.1@50.419,75.984 50.633,75.77 50.633,75.395 50.844,75.184 51.843,75.184 51.943,75.084 R1020.2@51.943,74.384 51.95,74.384 52.324,74.01 52.324,72.136 52.324,71.799 51.107,70.582 50.514,70.582 50.425,70.671 C1071.1@50.425,71.375 ; C1071.1@50.419,70.955 50.419,71.375 C1071.1@50.419,71.59
NetC1072_1: C1072.1 IC1018.2 IC1018.7 R1023.2 R1024.2 | length 8.5
  Top Layer w0.203: R1023.2@60.391,77.724 60.968,77.724 61.087,77.605 61.087,76.078 60.739,75.73 R1024.2@60.706,75.73
  Top Layer w0.254: R1023.2@60.575,78.2 60.575,78.933 60.57,78.928 60.57,79.32 60.75,79.5 61.2,79.5 C1072.1@61.225,79.525
  Top Layer w0.3: IC1018.7@58.282,77.111 58.282,78.181 ; IC1018.2@58.282,78.787 58.282,78.181 ; R1023.2@60.376,78.232 60.325,78.181 58.282,78.181
NetC1073_1: C1073.1 C1074.1 IC1019.10 R1024.1 | length 4.5
  Top Layer w0.203: R1024.1@60.706,74.13 60.658,74.082 C1073.1@60.658,72.721 C1074.1@60.658,71.527 60.658,71.427 61.087,70.999 IC1019.10@61.087,69.825
NetC1073_2: C1073.2 C1074.2 IC1019.9 R1025.1 | length 4.5
  Top Layer w0.203: IC1019.9@61.587,69.825 61.587,70.956 62.058,71.427 C1074.2@62.058,71.527 C1073.2@62.058,72.721 61.976,72.803 R1025.1@61.976,74.13
NetIC43_1: IC43.1 R48.1 | length 1.3
  Top Layer w0.203: R48.1@50.825,28.753 50.837,28.765 IC43.1@50.837,30.003
NetIC915_2: IC915.2 R913.1 | length 1.9
  Top Layer w0.152: IC915.2@39.249,20.876 39.306,20.933 R913.1@39.306,22.733
NetIC915_3: IC915.3 R914.1 | length 1.9
  Top Layer w0.152: R914.1@37.917,22.733 37.917,20.938 IC915.3@37.979,20.876
NetIC1017_2: IC1017.2 L101.1 | length 0.8
  Top Layer w0.279: 45.066,75.985 45.077,75.996 IC1017.2@45.888,75.996
NetIC1017_4: IC1017.4 R1018.2 | length 1.7
  Top Layer w0.152: IC1017.4@47.564,75.496 47.588,75.519 48.03,75.519 48.395,75.884 R1018.2@49.149,75.884
NetIC1018_4: IC1018.4 R1026.2 R1027.2 | length 3.4
  Top Layer w0.254: R1026.2@54.801,79.781 55.107,79.475 55.475,79.475 55.624,79.326 55.624,79.146 55.662,79.107 55.662,78.843 55.985,78.52 R1027.2@56,78.52 56.267,78.787 IC1018.4@57.282,78.787
NetJ83_1: J83.1 J84.10 | length 4.1
  Top Layer w0.762: J83.1@1.9,69.76 2.134,69.526 2.134,66.551 2.145,66.54 J84.10@2.93,66.54
NetR1027_1: R1027.1 R1028.2 | length 2.8
  Top Layer w0.254: R1028.2@54.86,76.974 54.86,76.184 55.009,76.035 55.852,76.035 56,76.184 R1027.1@56,76.92
NRST: C221.1 IC21.25 | length 15.1
  Top Layer w0.203: IC21.25@31.184,42.035 31.184,43.774 32.614,45.204 v1(32.614,45.263) ; C221.1@34.228,36.195 v1(35.212,36.195)
  Layer 3 (PWR) w0.203: v1(32.614,45.263) 32.614,45.197 32.437,45.02 32.437,43.837 35.212,41.062 v1(35.212,36.195)
PWR_ST: IC21.80 IC1018.8 | length 38.5
  Top Layer w0.152: v1(32.868,62.128) 32.868,62.137 33.184,62.454 IC21.80@33.184,63.511 ; v1(53.86,66.966) 59.563,72.669 v1(59.563,74.93) 58.792,75.701 58.792,77.101 IC1018.8@58.782,77.111
  Layer 3 (PWR) w0.152: v1(32.868,62.128) 33.296,62.557 35.887,62.557 36.115,62.785 37.131,62.785 39.37,65.024 v1@39.37,66.904 ; v1(39.37,66.929) v1@39.37,66.904 ; v1(53.86,66.966) 53.803,66.909 53.627,66.909 53.622,66.904 v1@39.37,66.904
RCC_MCO_1: H31.11 IC21.100 | length 21.1
  Top Layer w0.203: IC21.100@23.184,63.511 23.184,71.037 26.467,74.32 26.467,82.987 H31.11@26.67,83.19
RCC_OSC32_IN: C223.1 IC21.8 Y22.1 | length 6.1
  Top Layer w0.254: C223.1@21.884,36.474 21.884,38.826 Y22.1@21.684,39.026 21.684,39.426 22.684,40.426 IC21.8@22.684,42.035
RCC_OSC32_OUT: C224.1 IC21.9 Y22.2 | length 6.1
  Top Layer w0.254: IC21.9@23.184,42.035 23.184,40.426 24.184,39.426 Y22.2@24.184,39.026 23.989,38.831 C224.1@23.989,36.474
RCC_OSC_IN: IC21.23 Y21.3 | length 2.9
  Top Layer w0.254: IC21.23@30.184,42.035 30.184,40.82 30.77,40.234 Y21.3@30.77,39.333
RCC_OSC_OUT: IC21.24